# Altium PCB base-32-bit.PcbDoc (part 3 of 3) (continued)
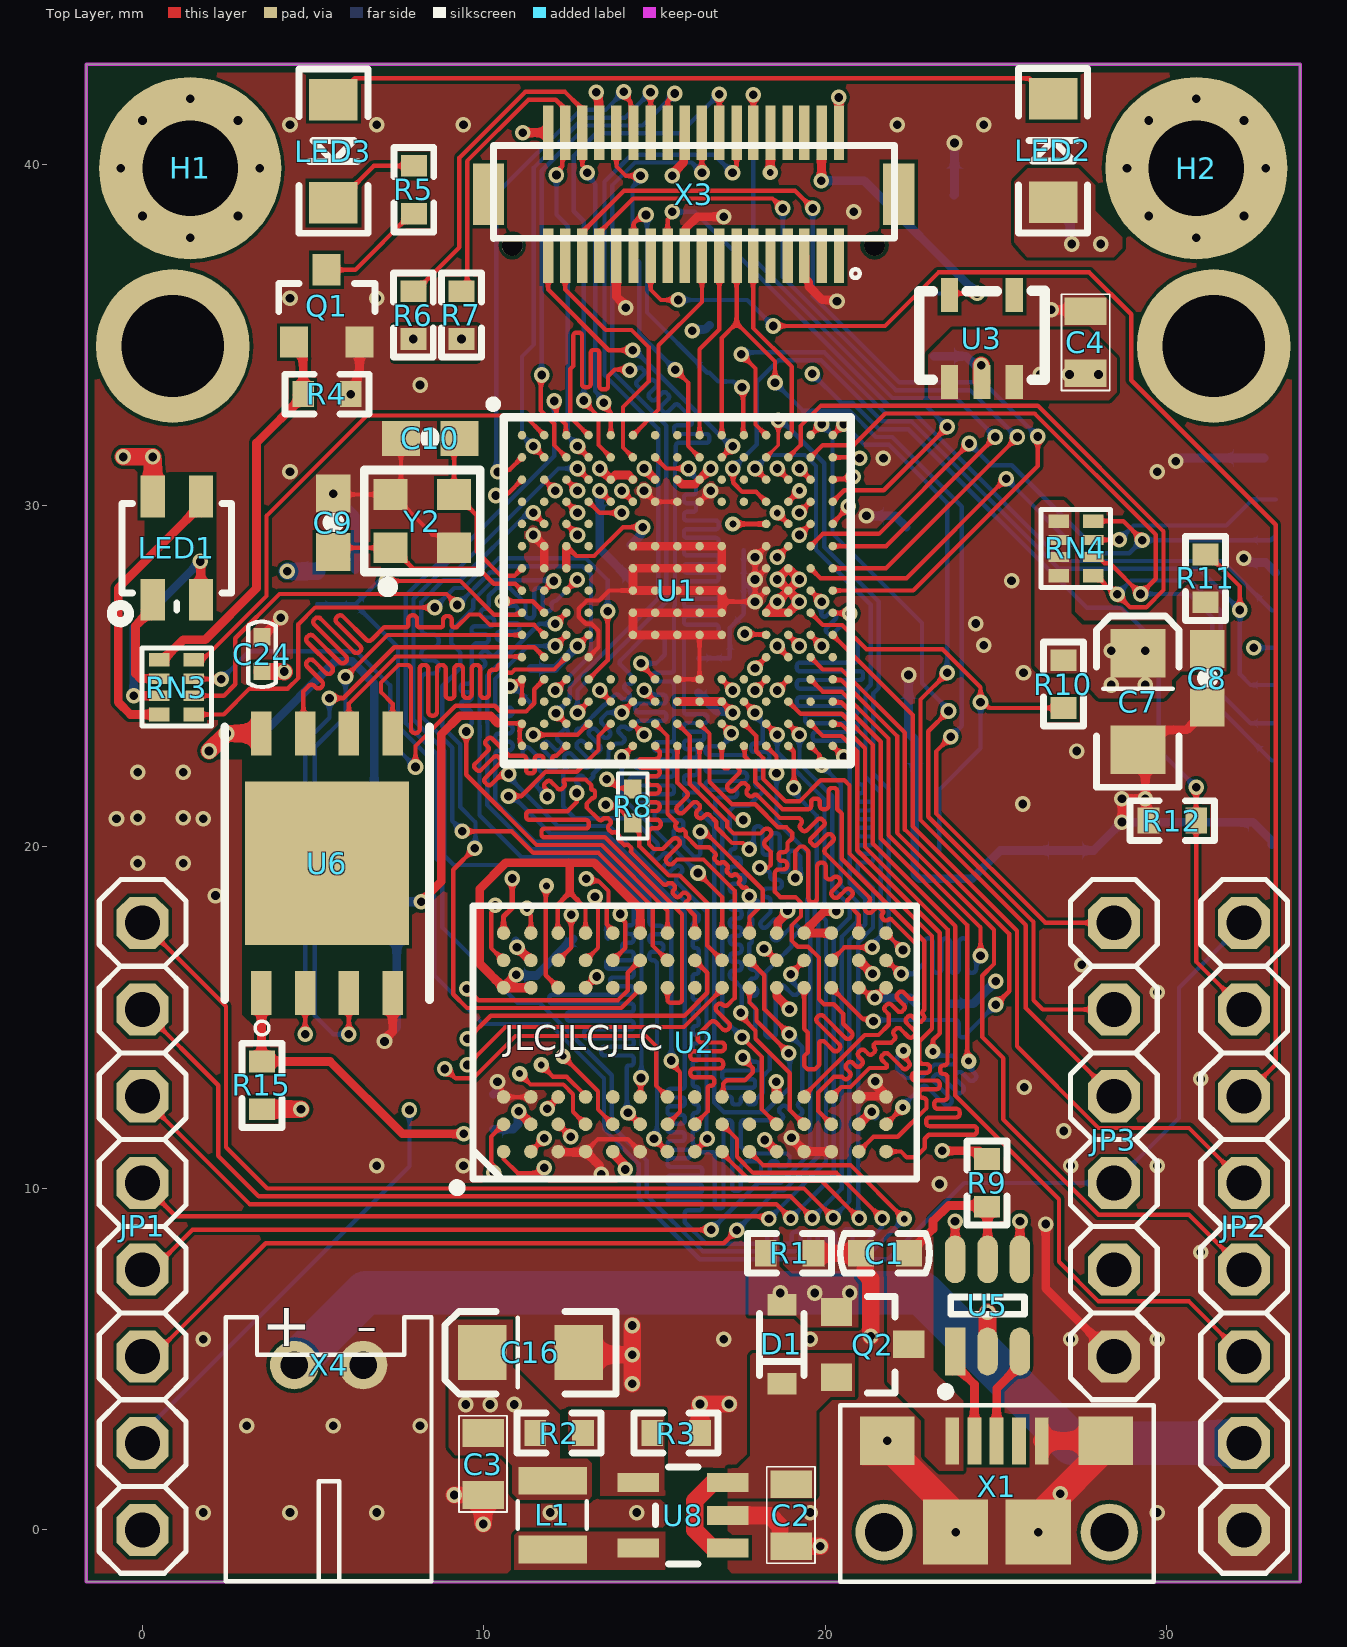
[diagram p0: Top Layer view]
## Nets (pads, with @x,y where several pads share a name; then routed paths per layer and width w, separated by ;. In a path a pad name is that pad's centre, name@x,y a point inside that pad or via, vN(x,y) a via of type N, cw(c..) or ccw(c..) an arc to the next point about the centre after c; other vN are vias at no path point) (continued)
  Top Layer w0.508: v1(9.125,1.023) C3.1@9.976,1.023 v1(9.976,0.172) ; C16.C@12.772,5.198 12.836,5.134 v1(14.344,5.134) ; v1(14.344,4.283) v1(14.344,5.134) ; v1(14.344,5.985) v1(14.344,5.134) ; R3.1@16.326,2.837 v1(16.326,3.688) v1(17.177,3.688) ; U8.2@17.139,0.424 18.369,0.424 18.667,0.126 18.667,-0.324 18.819,-0.476 C2.1@18.993,-0.476 v1(19.844,-0.476) ; R1.1@19.647,8.103 C1.1@21.044,8.103 21.17,7.977 21.17,7.509 21.329,7.351 v1(21.329,5.668) ; v1(24.562,34.112) 24.562,33.644 U3.2@24.584,33.622 ; U5.2@24.745,5.225 v1(24.745,6.379) ; X1.5@26.333,2.608 X1.S@28.213,2.608
  PWR w0.254: v1(21.202,29.696) v1(25.799,25.099) 25.799,12.591 v1(23.339,10.131) 23.339,8.855 23.607,8.587 26.022,8.587 26.392,8.957 v1(26.447,8.957) 25.921,9.483 25.921,10.668 27.457,12.205 27.457,25.832 21.904,31.385 v1(21.697,31.385)
  Bottom Layer w0.127: v1(10.763,24.705) 10.826,24.642 10.94,24.642 C22.2@11.372,24.21 ; v1(12.998,19.066) 13.061,19.003 13.351,19.003 13.646,18.709 13.646,18.251 13.595,18.201 13.595,17.352 C29.2@13.633,17.314 ; C19.2@16.274,25.53 17.189,25.53 C12.2@17.202,25.543 17.202,26.42 C21.2@17.608,26.826 C20.2@17.608,27.753 ; C11.2@17.608,28.693 C20.2@17.608,27.753 ; v1(17.938,27.185) 17.938,27.274 17.798,27.414 17.798,27.563 C20.2@17.608,27.753 ; v1(17.938,27.835) v1(17.938,28.485)
  Bottom Layer w0.254: v1(5.585,30.349) 6.233,29.702 C15.2@6.233,28.115 ; C14.2@6.381,17.383 C13.2@7.447,17.383 7.447,14.722 7.086,14.361 v1(7.086,14.306) ; C26.2@10.28,12.754 10.356,12.83 10.356,13.084 v1(10.394,13.123) ; C30.2@10.928,17.25 10.966,17.212 v1(10.966,17.06) ; C18.2@13.392,30.268 13.392,28.731 C25.2@14.293,27.829 ; v1(21.202,29.696) 22.038,29.696 X2.G$3@22.366,29.368 ; v1(22.434,25.035) 22.434,23.466 X2.G$4@22.366,23.398 22.612,23.152 22.612,19.204 22.746,19.07 24.293,19.07 25.121,19.898 X2.CD$2@27.041,19.898 27.851,19.898 v1(28.682,20.73) 28.691,20.721 32.518,20.721 33.066,20.173 X2.G$1@33.066,20.073 ; C5.1@23.171,34.373 24.116,34.373 24.377,34.112 v1(24.562,34.112) ; C27.2@23.679,15.409 24.326,15.409 v1(24.987,16.069) ; C6.C@23.765,39.083 23.78,39.098 v1(23.78,40.618) ; v1(30.257,31.296) 30.312,31.296 30.409,31.393 X2.G$2@32.841,31.393 ; v1(32.251,28.452) 32.306,28.452 32.426,28.331 32.893,28.331 X2.P$6@33.191,28.033
  other v1: 23.812,-0.067 26.232,-0.067 26.879,1.058 21.813,2.608 26.975,11.684 25.819,12.967 27.508,16.548 2.137,18.577 -0.14,19.52 1.194,19.52 -0.14,20.853 1.194,20.853 25.781,21.26 -0.14,22.187 1.194,22.187 27.356,22.809 24.397,26.543 25.451,27.8
  other v2: 1.778,0.508 4.318,0.508 6.858,0.508 11.938,0.508 14.478,0.508 19.558,0.508 29.718,0.508 3.048,3.048 5.588,3.048 8.128,3.048 1.778,5.588 17.018,5.588 19.558,5.588 27.178,5.588 29.718,5.588 30.988,8.128 6.858,10.668 9.398,10.668 27.178,10.668 29.718,10.668 30.988,13.208 29.718,15.748 -0.762,20.828 1.778,20.828 24.638,25.908 4.318,30.988 29.718,30.988 8.128,33.528 4.318,36.068 6.858,36.068 20.828,38.608 4.318,41.148 6.858,41.148 9.398,41.148 22.098,41.148 24.638,41.148
I2C1_SCL: R6.2 U1.A5 X3.32 | length 19
  Top Layer w0.127: R6.2@7.931,36.275 7.994,36.275 9.278,37.559 9.278,40.181 11.211,42.113 12.371,42.113 12.79,41.694 12.79,41.008 X3.32@12.879,40.919 12.879,39.969 13.023,39.824 v1(13.023,39.742) ; v1(13.506,33.011) 13.506,32.921 13.713,32.714 U1.A5@13.713,32.06
  Bottom Layer w0.127: v1(13.023,39.742) 13.023,39.652 13.263,39.413 13.263,33.343 13.506,33.1 v1(13.506,33.011)
I2C1_SDA: R7.2 U1.B4 X3.34 | length 18.3
  Top Layer w0.127: R7.2@9.34,36.275 9.507,36.441 9.507,40.086 11.305,41.885 12.1,41.885 12.29,41.694 12.29,41.008 X3.34@12.379,40.919 12.29,40.831 12.29,39.936 12.122,39.768 v1(12.122,39.678) ; v1(12.738,31.735) U1.B4@13.063,31.41
  Bottom Layer w0.127: v1(12.122,39.678) 12.122,38.513 12.452,38.183 12.452,32.041 12.738,31.755 v1(12.738,31.735)
I2C2_SCL: JP1.5 U1.R12 | length 33.5
  Top Layer w0.127: JP1.5@0,7.62 0.291,7.62 1.463,8.792 v1(16.655,8.792) ; U1.R12@18.263,22.96 18.567,22.656 v1(18.567,22.162)
  Bottom Layer w0.127: v1(16.655,8.792) 18.03,10.167 18.688,10.167 19.549,11.027 19.558,11.036 19.558,17.602 19.462,17.698 19.462,18.466 19.513,18.517 19.513,19.807 18.567,20.753 v1(18.567,22.162)
I2C2_SDA: JP1.6 U1.R13 | length 34.6
  Top Layer w0.127: JP1.6@0,5.08 0.291,5.08 3.609,8.398 17.024,8.398 v1(17.405,8.779) ; U1.R13@18.913,22.96 19.075,22.798 v1(19.075,21.73)
  Bottom Layer w0.127: v1(17.405,8.779) 18.564,9.938 18.783,9.938 19.787,10.942 19.787,17.76 19.691,17.856 19.691,18.371 19.742,18.422 19.742,20.92 19.075,21.587 v1(19.075,21.73)
LED_B: RN3.1 U1.M4 | length 18.3
  Top Layer w0.127: RN3.1@1.496,23.88 2.379,23.88 3.137,24.638 4.255,24.638 4.565,24.949 4.565,26.523 5.055,27.013 v1(8.56,27.013) ; U1.M4@13.063,24.91 13.62,25.467 v1(13.62,26.908)
  Bottom Layer w0.127: v1(8.56,27.013) 9.131,27.584 9.398,27.584 10.087,28.274 10.25,28.274 10.428,28.452 12.989,28.452 13.62,27.82 v1(13.62,26.908)
LED_G: RN3.2 U1.M3 | length 18.7
  Top Layer w0.127: RN3.2@1.496,24.43 2.383,24.43 2.718,24.765 2.718,26.114 4.01,27.407 6.969,27.407 6.982,27.394 7.308,27.394 7.321,27.407 8.903,27.407 v1(9.22,27.089) ; v1(12.088,24.585) U1.M3@12.413,24.91
  Bottom Layer w0.127: v1(9.22,27.089) 9.226,27.089 10.182,28.045 10.345,28.045 10.523,28.223 12.894,28.223 13.132,27.985 13.132,25.629 v1(12.088,24.585)
LED_IR: RN3.4 U1.A2 | length 14.8
  Top Layer w0.127: RN3.4@1.496,25.48 1.76,25.48 3.632,27.352 3.632,29.697 6.574,32.639 11.184,32.639 U1.A2@11.763,32.06
LED_R: RN3.3 U1.M2 | length 14.8
  Top Layer w0.127: RN3.3@1.496,24.93 1.507,24.919 2.294,24.919 v1(2.304,24.908) ; v1(7.994,22.343) 7.994,22.958 9.17,24.134 10.312,24.134 10.476,23.97 11.233,23.97 11.473,24.209 11.473,24.62 U1.M2@11.763,24.91
  Bottom Layer w0.127: v1(2.304,24.908) 3.126,25.73 6.254,25.73 7.252,24.732 7.252,23.085 v1(7.994,22.343)
NetC9_2: C9.2 U1.H1 Y2.1 | length 6.1
  Top Layer w0.127: C9.2@5.585,28.636 5.711,28.762 Y2.1@7.265,28.762 7.315,28.762 7.93,28.147 9.851,28.147 10.287,27.711 10.912,27.711 U1.H1@11.113,27.51
NetC10_2: C10.2 U1.G1 Y2.3 | length 5.4
  Top Layer w0.127: C10.2@9.283,31.966 9.125,31.808 Y2.3@9.125,30.322 9.175,30.322 9.79,29.707 9.79,28.652 10.502,27.94 10.893,27.94 U1.G1@11.113,28.16
NetC13_1: C13.1 C14.1 L2.1 U1.P1 U1.R1 | length 11.7
  Top Layer w0.127: 10.407,23.626 11.097,23.626 U1.P1@11.113,23.61 11.113,23.577 11.044,23.508 11.044,23.062 11.113,22.993 U1.R1@11.113,22.96
  Top Layer w0.254: v1(8.159,18.393) 8.744,18.978 8.744,23.295 9.291,23.841 10.191,23.841 10.407,23.626
  Bottom Layer w0.254: C14.1@6.381,18.399 C13.1@7.447,18.399 ; L2.1@7.168,19.669 7.168,18.679 C13.1@7.447,18.399 ; v1(8.159,18.393) 8.156,18.396 7.451,18.396 C13.1@7.447,18.399
NetLED1_B: LED1.B RN3.8 | length 8.4
  Top Layer w0.254: RN3.8@0.496,23.88 -0.353,23.88 -0.714,24.24 -0.714,27.582 1.714,30.01 LED1.B@1.714,30.264
NetLED1_G: LED1.G RN3.7 | length 6.6
  Top Layer w0.254: v1(-0.257,24.43) RN3.7@0.496,24.43 ; v1(1.695,28.363) 1.705,28.353 1.705,27.25 LED1.G@1.714,27.24
  Bottom Layer w0.254: v1(-0.257,24.43) -0.257,26.411 v1(1.695,28.363)
NetLED1_R: LED1.R RN3.6 | length 3.1
  Top Layer w0.254: LED1.R@0.303,27.24 0.303,26.986 -0.206,26.477 -0.206,25.078 -0.057,24.93 RN3.6@0.496,24.93
NetLED2_C: LED2.C LED3.A | length 21.6
  Top Layer w0.127: LED3.A@5.588,41.886 6.212,42.51 25.968,42.51 26.568,41.91 LED2.C@26.67,41.91
NetLED3_C: LED3.C R5.2 | length 2.8
  Top Layer w0.127: LED3.C@5.588,38.862 5.69,38.862 6.774,39.946 R5.2@7.944,39.946
NetQ1_1: Q1.1 R4.2 RN3.5 | length 11.6
  Top Layer w0.254: RN3.5@0.496,25.48 0.569,25.553 0.669,25.553 1.19,26.073 1.836,26.073 3.339,27.576 3.339,31.833 4.703,33.197 R4.2@4.703,33.261 4.703,34.521 Q1.1@4.439,34.785
NetQ1_3: Q1.3 R5.1 | length 3.2
  Top Layer w0.127: Q1.3@5.389,36.903 6.234,36.903 7.881,38.549 R5.1@7.944,38.549
NetR2_1: R2.1 R3.2 U8.4
NetR9_1: R9.1 U1.E15 | length 23.8
  Top Layer w0.127: U1.E15@20.213,29.46 20.213,29.49 20.669,29.946 v1(20.669,29.976)
  Top Layer w0.254: v1(23.419,11.1) 24.495,11.1 R9.1@24.733,10.862
  PWR w0.254: v1(20.669,29.976) 20.669,29.179 25.159,24.689 25.159,17.221 25.444,16.936 25.444,13.963 25.159,13.678 25.159,12.84 v1(23.419,11.1)
NetU5_1: U5.1 X1.2 | length 2.9
  Top Layer w0.254: U5.1@23.796,5.225 23.796,4.825 24.363,4.258 X1.2@24.363,2.608
NetU5_3: U5.3 X1.3 | length 2.9
  Top Layer w0.254: X1.3@25.012,2.608 25.012,4.141 25.696,4.825 U5.3@25.696,5.225
NRST: C15.1 JP2.1 JP3.4 R13.1 U1.J1 | length 53.5
  Top Layer w0.127: v1(7.145,27.788) 9.309,27.788 10.296,26.801 11.054,26.801 U1.J1@11.113,26.86
  Bottom Layer w0.127: R13.1@5.111,27.105 6.226,27.105 C15.1@6.233,27.099 ; v1(7.145,27.788) 6.921,27.788 C15.1@6.233,27.099 ; JP2.1@32.258,17.78 30.353,15.875 30.353,12.065 JP3.4@28.448,10.16 24.066,10.16 21.835,7.928 16.316,7.928 14.535,9.709 14.535,10.72 13.513,11.742 13.513,13.223 11.92,14.816 9.974,14.816 8.553,16.236 8.553,18.556 8.388,18.721 8.388,22.626 7.48,23.534 7.48,25.851 C15.1@6.233,27.099
P9: JP2.4 U1.K15 | length 22.6
  Top Layer w0.127: U1.K15@20.213,26.21 22.555,23.868 22.555,20.603 25.609,17.549 25.609,14.163 27.999,11.773 30.645,11.773 JP2.4@32.258,10.16
RAW: C2.2 D1.1 Q2.2 U8.1 U8.3 | length 3.2
  Top Layer w0.508: U8.1@17.139,-0.526 17.114,-0.501 16.672,-0.501 16.174,-0.003 16.174,0.851 16.687,1.364 17.114,1.364 U8.3@17.139,1.389
SD_CD: R10.2 U1.J14 X2.CD$1 | length 13.7
  Top Layer w0.127: U1.J14@19.563,26.86 19.923,26.5 20.489,26.5 21.2,25.789 23.431,25.789 24.542,24.678 v1(24.542,24.234) 24.632,24.234 24.794,24.071 R10.2@26.969,24.071
  Bottom Layer w0.127: X2.CD$1@23.336,19.892 23.336,21.686 24.542,22.893 v1(24.542,24.234)
SDIO_CLK: U1.A12 X2.P$5 | length 21.5
  Top Layer w0.127: v1(17.532,34.433) 17.951,34.014 17.951,32.372 U1.A12@18.263,32.06
  Bottom Layer w0.127: v1(17.532,34.433) 17.583,34.484 19.966,34.484 21.744,32.706 21.765,32.706 21.778,32.693 22.617,32.693 26.935,28.375 31.624,28.375 33.072,26.928 X2.P$5@33.191,26.928
SDIO_CMD: R11.2 U1.D12 X2.P$3 | length 27
  Top Layer w0.127: v1@17.265,31.08 17.297,31.048 17.297,30.666 17.563,30.4 17.973,30.4 U1.D12@18.263,30.11 ; R11.2@31.134,28.567 31.198,28.567 32.137,27.628 v1(32.137,26.94)
  Bottom Layer w0.127: v1(17.288,31.085) 17.989,31.786 17.989,33.618 18.626,34.255 19.871,34.255 21.662,32.465 22.522,32.465 26.84,28.147 30.93,28.147 v1(32.137,26.94) 32.137,25.057 32.45,24.743 X2.P$3@33.191,24.743
SDIO_D0: RN4.8 U1.G14 X2.P$7 | length 17.8
  Top Layer w0.127: U1.G14@19.563,28.16 19.853,27.87 22.373,27.87 v1(25.291,30.788) ; RN4.8@27.836,29.544 28.721,29.544 v1(29.279,28.985)
  Bottom Layer w0.127: v1(25.291,30.788) 27.476,28.604 28.898,28.604 v1(29.279,28.985) 33.038,28.985 X2.P$7@33.191,29.137
SDIO_D1: RN4.7 U1.F14 X2.P$8 | length 17.3
  Top Layer w0.127: U1.F14@19.563,28.81 19.923,29.17 21.565,29.17 v1(24.212,31.817) ; RN4.7@27.836,28.994 27.838,28.996 28.604,28.996 v1(28.606,28.998)
  Bottom Layer w0.127: v1(24.212,31.817) 24.847,31.182 25.455,31.182 27.639,28.998 v1(28.606,28.998) 29.022,29.413 31.737,29.413 32.503,30.179 X2.P$8@33.191,30.179
SDIO_D2: RN4.6 U1.B14 X2.P$1 | length 23.3
  Top Layer w0.127: U1.B14@19.563,31.41 19.923,31.77 20.827,31.77 21.753,32.696 26.124,32.696 29.673,29.148 29.673,27.855 v1(29.228,27.41) 28.33,28.309 28.171,28.309 27.986,28.494 RN4.6@27.836,28.494
  Bottom Layer w0.127: v1(29.228,27.41) 30.642,27.41 31.331,26.721 31.331,24.268 33.066,22.533 X2.P$1@33.191,22.533
SDIO_D3: RN4.5 U1.B13 X2.P$2 | length 25.8
  Top Layer w0.127: U1.B13@18.913,31.41 19.273,31.77 19.273,32.327 19.871,32.925 26.219,32.925 29.902,29.243 29.902,27.526 29.392,27.016 28.924,27.016 v1(28.543,27.397) 28.482,27.397 27.936,27.944 RN4.5@27.836,27.944
  Bottom Layer w0.127: v1(28.543,27.397) 28.949,27.804 30.692,27.804 31.572,26.924 31.572,24.504 32.45,23.626 X2.P$2@33.191,23.626
SPI2_MISO: JP1.2 U1.R14 | length 38.3
  Top Layer w0.127: JP1.2@0,15.24 2.217,13.023 2.217,10.953 3.4,9.77 18.98,9.77 v1(19.615,9.135) ; U1.R14@19.563,22.96 19.825,22.698 19.825,22.463 v1(19.888,22.4)
  Bottom Layer w0.127: v1(19.615,9.135) 20.472,9.993 20.472,17.368 20.935,17.831 20.935,18.388 20.443,18.88 20.443,21.845 v1(19.888,22.4)
SPI2_MOSI: JP1.1 U1.R15 | length 40.8
  Top Layer w0.127: JP1.1@0,17.78 2.445,15.335 2.445,11.207 3.654,9.998 19.373,9.998 v1(20.224,9.148) ; U1.R15@20.213,22.96 v1(20.538,22.635)
  Bottom Layer w0.127: v1(20.224,9.148) 20.701,9.624 20.701,17.273 21.164,17.736 21.164,18.482 20.714,18.933 20.714,22.459 v1(20.538,22.635)
SPI2_NSS: JP1.4 U1.P12 | length 34.7
  Top Layer w0.127: JP1.4@0,10.16 0.974,9.186 18.268,9.186 v1(18.345,9.109) ; U1.P12@18.263,23.61 v1(18.588,23.285)
  Bottom Layer w0.127: v1(18.345,9.109) 20.015,10.78 20.015,17.855 19.919,17.951 19.919,18.277 19.97,18.328 19.97,21.392 18.588,22.774 v1(18.588,23.285)
SPI2_SCLK: JP1.3 U1.P13 | length 36.4
  Top Layer w0.127: JP1.3@0,12.7 0,12.678 3.137,9.541 18.56,9.541 v1(18.98,9.122) ; U1.P13@18.913,23.61 v1(19.238,23.285)
  Bottom Layer w0.127: v1(18.98,9.122) 20.244,10.386 20.244,17.463 20.707,17.926 20.707,18.293 20.199,18.801 20.199,21.486 19.238,22.447 v1(19.238,23.285)
SPI3_MISO: U1.A9 X3.15 | length 5.5
  Top Layer w0.127: U1.A9@16.313,32.06 16.313,34.579 16.891,35.157 X3.15@16.891,37.316
SPI3_MOSI: U1.A6 X3.17 | length 6.1
  Top Layer w0.127: U1.A6@14.363,32.06 15.113,32.81 15.113,34.692 16.383,35.962 X3.17@16.383,37.316
SPI3_SCLK/TRACESWO: JP3.1 U1.A10 X3.13 | length 30.5
  Top Layer w0.127: U1.A10@16.963,32.06 16.963,34.906 17.399,35.342 ; X3.13@17.399,37.316 17.399,35.342 ; v1(18.522,33.595) 18.522,34.218 17.399,35.342 ; v1(23.672,23.225) 23.241,22.794 23.241,20.98 26.441,17.78 JP3.1@28.448,17.78
  Bottom Layer w0.127: v1(18.522,33.595) 19.339,32.779 20.701,32.779 21.472,32.008 21.955,32.008 23.996,29.967 23.996,23.549 v1(23.672,23.225)
SPI3_SSEL: U1.A13 X3.11 | length 5.8
  Top Layer w0.127: X3.11@17.882,37.316 17.882,35.199 19.012,34.069 19.012,32.159 U1.A13@18.913,32.06
SW: L1.1 U8.5
SWCLK: JP3.2 U1.A14 | length 22.9
  Top Layer w0.127: U1.A14@19.563,32.06 v1(19.888,32.385) ; v1(23.602,23.981) 23.012,23.391 23.012,20.886 26.092,17.807 26.092,15.514 26.365,15.24 JP3.2@28.448,15.24
  Bottom Layer w0.127: v1(19.888,32.385) 20.206,32.067 20.206,29.181 22.828,26.559 22.828,24.795 23.602,24.02 v1(23.602,23.981)
SWDIO: JP3.3 U1.A15 | length 24.5
  Top Layer w0.127: U1.A15@20.213,32.06 v1(20.538,32.385) ; v1(23.564,25.099) 22.784,24.318 22.784,20.791 25.863,17.712 25.863,15.285 JP3.3@28.448,12.7
  Bottom Layer w0.127: v1(20.538,32.385) 21.144,31.779 21.86,31.779 23.564,30.075 v1(23.564,25.099)
TIM4_CH1: JP2.6 U1.N13 | length 27
  Top Layer w0.127: U1.N13@18.913,24.26 19.273,23.9 20.476,23.9 21.389,22.987 21.389,20.094 23.806,17.677 23.806,13.892 23.803,13.89 23.803,12.723 26.841,9.686 26.841,7.851 27.999,6.693 30.645,6.693 JP2.6@32.258,5.08
TIM4_CH2: JP2.5 U1.M15 | length 24.2
  Top Layer w0.127: U1.M15@20.213,24.91 20.237,24.886 20.46,24.886 22.098,23.248 22.098,20.414 24.936,17.576 24.936,16.575 24.593,16.232 24.593,14.434 25.209,13.818 25.209,12.022 27.999,9.233 30.645,9.233 JP2.5@32.258,7.62
VBUS: C1.2 Q2.3 R9.2 U5.5 X1.1 | length 4.6
  Top Layer w0.254: C1.2@22.441,8.103 23.151,8.813 23.151,9.045 23.607,9.501 24.696,9.501 24.746,9.451 U5.5@24.746,7.925
VCAP1: C12.1 U1.M10 | length 0.5
  Top Layer w0.127: U1.M10@16.963,24.91 v1(17.288,24.585)
VCAP2: C11.1 U1.F13 | length 0.5
  Top Layer w0.127: v1(18.588,28.485) U1.F13@18.913,28.81
VCC: C3.2 C4.2 C6.A C7.A C8.1 C16.A C17.1 C18.1 C19.1 C20.1 C21.1 C22.1 C23.1 C24.1 C25.1 C26.1 C27.1 C28.1 C29.1 C30.1 JP1.8 JP3.5 L1.2 L2.2 LED1.A LED2.A R2.2 R6.1 R7.1 R8.1 R10.1 R11.1 R13.2 R14.2 R15.2 RN4.1 RN4.2 RN4.3 RN4.4 U1.C1 U1.C5 U1.C6 U1.C7 U1.C8 U1.C9 U1.F3 U1.G3 U1.G13 U1.H13 U1.J12 U1.J13 U1.K4 U1.N8 U1.N9 U1.N10 U2.A7 U2.B2 U2.B7 U2.C9 U2.D9 U2.E1 U2.F9 U2.L1 U2.L7 U2.M9 U2.N9 U2.P2 U2.P7 U2.R7 U3.1 U3.3 U6.8 X2.P$4 X3.2 X3.10 X3.20 X3.30 X3.36 | length 84.7
  Top Layer w0.127: v1(10.344,30.293) 10.407,30.356 10.709,30.356 U1.C1@11.113,30.76 ; U2.C9@12.174,17.48 12.16,17.494 12.16,18.317 12.515,18.673 12.974,18.214 U2.D9@12.974,17.48 ; U1.F3@12.413,28.81 12.703,28.52 13.225,28.52 14.071,29.366 v1(14.649,29.366) ; v1(12.738,25.885) U1.K4@13.063,26.21 ; v1(13.595,21.987) 13.654,21.987 13.921,21.721 14.331,21.721 R8.1@14.357,21.695 ; U2.P7@20.974,15.88 21.048,15.88 21.278,15.65 21.38,15.65 v1(21.443,15.586) 21.462,15.586 21.755,15.88 U2.R7@21.774,15.88
  Top Layer w0.152: U1.N10@16.963,24.26 v1(17.288,23.935)
  Top Layer w0.254: v1(10.94,16.26) 10.574,15.893 U2.A7@10.574,15.88 ; v1(11.017,12.259) 11.017,12.248 11.374,11.891 U2.B2@11.374,11.88 ; v1(11.134,40.919) X3.36@11.879,40.919 ; U2.B7@11.374,15.88 U2.A7@10.574,15.88 ; U1.G3@12.413,28.16 U1.F3@12.413,28.81 ; 12.515,18.673 12.515,19.501 12.481,19.536 ; v1(13.29,42.104) 13.29,42.049 13.354,41.985 13.354,40.945 X3.30@13.379,40.919 ; v1(13.388,31.085) U1.C5@13.713,30.76 13.845,30.892 14.231,30.892 U1.C6@14.363,30.76 ; U2.E1@13.774,11.08 13.774,11.04 14.102,10.712 14.102,10.596 v1(14.141,10.557) ; U2.F9@14.574,17.48 14.574,18.193 13.231,19.536 12.481,19.536 ; v1(14.688,31.085) U1.C7@15.013,30.76 ; v1(15.512,39.653) 15.512,39.708 15.854,40.049 15.854,40.894 X3.20@15.879,40.919 ; U1.N8@15.663,24.26 U1.N9@16.313,24.26 U1.N10@16.963,24.26 ; U1.C8@15.663,30.76 15.796,30.628 16.181,30.628 U1.C9@16.313,30.76 ; U1.C9@16.313,30.76 v1(16.638,31.085) ; v1(18.218,11.421) 18.225,11.421 18.566,11.08 U2.L1@18.574,11.08 ; U1.J12@18.263,26.86 U1.J13@18.913,26.86 v1(19.238,27.185) ; U1.J12@18.263,26.86 v1(18.588,27.185) U1.H13@18.913,27.51 v1(19.238,27.185) ; v4(18.383,39.755) 18.386,39.758 18.386,40.916 X3.10@18.39,40.919 ; U2.L7@18.574,15.88 18.574,15.627 v1(18.948,15.253) ; U2.N9@20.174,17.48 U2.M9@19.374,17.48 19.374,17.52 19.968,18.114 v1(20.313,18.114) ; v1(20.389,41.952) 20.393,41.948 20.393,40.923 X3.2@20.396,40.919 ; U2.P2@20.974,11.88 20.981,11.88 21.347,12.246 v1(21.354,12.246) ; U2.A7@10.574,15.88 9.874,16.58 9.874,18.773 10.637,19.536 12.481,19.536 ; v1(18.588,27.835) U1.H13@18.913,27.51 v1(19.238,27.835) U1.G13@18.913,28.16 v1(18.588,27.835)
  Top Layer w0.508: v1(-0.566,31.423) v1(0.298,31.423) 0.303,31.418 LED1.A@0.303,30.264 ; v1(1.949,22.813) v1(2.461,23.325) U6.8@3.484,23.325 ; R15.2@3.498,12.323 v1(4.641,12.323) ; C24.1@3.499,25.138 4.145,25.138 v1(4.146,25.137)
  GND w0.254: v1(10.94,16.26) 10.94,15.004 10.16,14.224 10.16,13.613 9.652,13.105 9.652,12.7 10.093,12.259 v1(11.017,12.259) ; v1(12.738,25.885) 12.738,24.581 13.335,23.984 13.335,22.247 v1(13.595,21.987) ; v1(17.288,23.935) 18.567,22.656 18.899,22.656 20.313,21.241 v1(20.313,18.114)
  Bottom Layer w0.127: v1(32.543,25.835) X2.P$4@33.191,25.833
  Bottom Layer w0.254: v1(2.461,23.325) 3.529,23.325 5.643,25.438 6.133,25.438 6.787,24.784 6.787,21.663 L2.2@7.168,21.282 ; C26.1@10.28,11.738 10.855,11.738 11.004,11.887 11.004,12.246 v1(11.017,12.259) ; C30.1@10.928,16.234 11.537,16.234 C29.1@12.617,17.314 ; C22.1@11.372,25.226 12.079,25.226 v1(12.738,25.885) ; C25.1@14.293,28.845 14.61,29.162 14.61,29.327 v1(14.649,29.366) ; v1(16.097,35.119) 16.136,35.158 16.478,35.158 R14.2@16.605,35.284 ; C19.1@16.274,24.515 16.815,23.974 17.249,23.974 v1(17.288,23.935) ; v1(21.354,12.246) 21.456,12.145 C28.1@21.456,12.119 ; v1(21.443,15.586) 22.485,15.586 C27.1@22.663,15.409 ; C6.A@26.588,39.083 27.172,38.499 27.172,37.696 v1(27.209,37.659)
  Bottom Layer w0.508: v1(4.235,28.071) 5.111,28.071 R13.2@5.111,28.096
  other v1: 9.467,3.674 10.178,3.674 10.89,3.674 28.365,24.743 29.368,24.743 28.365,25.746 29.368,25.746 26.295,33.836 27.146,33.836 27.997,33.836 7.931,34.878 9.34,34.878 28.06,37.659
VDDA: C5.2 U3.5 X3.4 | length 9.4
  Top Layer w0.127: U3.5@23.634,36.162 23.683,36.211 v1(24.441,36.211)
  Top Layer w0.254: v1(19.881,39.513) 19.885,39.517 19.885,40.916 X3.4@19.888,40.919
  Bottom Layer w0.127: C5.2@23.171,36.187 23.195,36.211 v1(24.441,36.211)
  Bottom Layer w0.254: v1(19.881,39.513) 21.139,39.513 v1(24.441,36.211)
VIN: D1.2 JP2.7 Q2.1 R1.2 X4.1 | length 30.5
  Bottom Layer w1.27: X4.1@4.445,4.826 4.445,4.857 6.538,6.95 22.809,6.95 27.219,2.54 JP2.7@32.258,2.54
  other v1: 18.675,6.938 19.691,6.938 20.707,6.938
pads on no net: H1.B2,8 H2.B2,8 U1.A1 U1.A7 U1.A8 U1.B8 U1.B11 U1.C10 U1.C11 U1.D1 U1.D2 U1.D10 U1.D11 U1.E1 U1.E4 U1.F1 U1.F4 U1.G4 U1.H4 U1.J4 U1.L15 U1.M5 U1.M6 U1.M11 U1.N2 U1.N3 U1.N12 U1.N14 U1.P2 U1.R2 U1.R4 U1.R5 U2.E3 U2.E7 U2.H3 U2.H7 U2.K2 U2.K3 U3.4 U6.0 X1.4 X1.S1 X1.S2 X3.1 X3.3 X3.6 X3.7 X3.8 X3.9 X3.F1 X3.F2
copper on no net:
  other v3: 1.397,37.846 30.861,37.846 0,38.481 2.794,38.481 29.464,38.481 32.258,38.481 -0.635,39.878 3.429,39.878 28.829,39.878 32.893,39.878 0,41.275 2.794,41.275 29.464,41.275 32.258,41.275 1.397,41.91 30.861,41.91

## Polygon pours and split planes (outlines as drawn)
GND on Top Layer "Top Layer-GND" (solid, remove dead copper, pour order 56): -4.547,47.879 -5.093,47.333 -5.093,-3.531 38.227,-3.531 38.506,-3.81 38.506,44.425
VCC on Top Layer "Top Layer-VCC 4" (solid, remove dead copper, pour order 32): 26.13,29.95 26.13,25.302 26.358,25.073 26.371,25.086 27.59,25.086 27.768,24.908 27.768,24.603 28.009,24.362 29.902,24.362 30.143,24.603 30.143,24.883 30.396,25.136 31.743,25.15 31.743,27.512 31.578,27.677 30.6,27.677 30.283,27.359 30.283,26.508 27.527,26.508 27.196,26.839 27.196,29.937 26.981,30.153 26.333,30.153
VCC on Top Layer "Top Layer-VCC" (solid, remove dead copper, pour order 28): 8.972,2.417 9.162,2.188 10.521,2.188 10.826,1.883 10.826,1.07 11.017,0.88 13.061,0.88 13.163,0.981 13.163,1.947 13.022,2.086 12.223,2.086 12.223,3.385 10.839,4.769 10.839,6.15 8.972,6.15
VCC on Top Layer "Top Layer-VCC 1" (solid, remove dead copper, pour order 26): 7.359,35.259 7.359,34.255 9.797,34.255 9.797,35.259
VCC on Top Layer "Top Layer-VCC 2" (solid, remove dead copper, pour order 22): 25.774,37.418 25.914,37.278 28.441,37.278 28.695,37.532 28.695,37.85 27.908,38.637 27.908,39.374 27.4,39.882 25.926,39.882 25.533,39.488 25.533,37.71
VCC on Top Layer "Top Layer-VCC 3" (solid, remove dead copper, pour order 20): 23.729,35.144 23.005,34.421 23.005,33.163 23.082,33.087 28.301,33.087 28.53,33.316 28.53,34.306 27.692,35.144
VIN on Top Layer "Top Layer-VIN" (solid, remove dead copper, pour order 14): 17.76,8.665 17.76,6.29 19.119,6.29 19.475,5.934 20.999,5.934 21.024,5.96 21.024,7.408 18.967,7.408 18.649,7.725 18.649,8.601
NetR2_1 on Top Layer "Top Layer-NetR2_1" (solid, remove dead copper, pour order 12): 13.411,0.994 15.284,0.994 15.373,1.083 15.284,1.172 15.284,3.509 13.684,3.509 12.49,3.509 12.464,3.483 12.464,2.34 12.604,2.201 13.353,2.201 13.411,2.143
SW on Top Layer "Top Layer-SW" (solid, remove dead copper, pour order 10): 10.864,-0.035 10.89,-0.06 10.89,-1.165 15.297,-1.165 15.347,-1.114 15.347,-0.047
RAW on Top Layer "Top Layer-RAW" (solid, remove dead copper, pour order 8): 16.401,1.769 16.401,0.931 19.64,0.931 19.665,0.905 19.729,0.969 19.729,3.471 20.161,3.902 20.859,3.902 20.859,5.172 18.256,5.172 17.875,5.172 17.798,5.096 17.798,2.175 17.43,1.807 16.44,1.807
no net on Top Layer "Top Layer-No Net" (solid, remove dead copper, pour order 6): 17.824,-0.936
no net on Top Layer "Top Layer-No Net 1" (solid, remove dead copper, pour order 4): 16.49,-0.187
VBUS on Top Layer "Top Layer-VBUS" (solid, remove dead copper, pour order 2): 21.812,6.366 21.812,4.334 22.904,3.242 22.904,2.163 23.336,1.731 24.034,1.731 24.034,3.788 23.158,4.664 23.158,7.585 23.158,8.589 21.799,8.589
GND on Bottom Layer "Bottom Layer-GND" (solid, remove dead copper, pour order 50): -3.162,44.425 -3.581,44.005 -3.581,-2.908 37.008,-2.908 37.338,-2.578 37.338,46.152
VCC on Bottom Layer "Bottom Layer-VCC" (solid, remove dead copper, pour order 34): 25.774,39.932 25.774,37.303 26.765,37.303 28.466,37.303 28.466,37.926 27.489,38.904 27.489,39.932
VCC on PWR "PWR-VCC" (solid, remove dead copper, pour order 52): -4.267,45.745 -4.267,-3.886 -3.505,-3.124 39.548,-3.124 39.548,43.802 38.303,45.047
GND on GND "GND-GND" (solid, remove dead copper, pour order 54): -4.204,46.914 -4.889,46.228 -4.889,-3.67 40.716,-3.67 40.03,-2.984 40.03,46.85 1.206,46.85 0.991,46.634

## Keep-outs
Keep-Out Layer:
  the board outline again, w0.1

## Other copper
Top Layer:
  pour cut-out: 2.902,22.883 2.902,15.093 3.277,14.719 3.531,14.973 7.744,14.973 7.744,22.901
  pour cut-out: 9.309,32.512 9.309,28.181 9.55,27.94 10.893,27.94 10.893,28.171 11.184,28.462 11.184,32.807
  pour cut-out: 11.625,38.218 11.625,36.414 20.65,36.414 20.65,38.218
  pour cut-out: 11.703,41.885 11.703,40.095 11.625,40.018 20.65,40.018 20.65,41.773 20.7,41.823
  pour cut-out: 12.623,2.086
  pour cut-out: 15.303,1.88 15.303,-1.257 17.139,-1.257 17.139,1.798
  pour cut-out: 23.151,8.813 23.151,4.672 23.158,4.664 23.161,4.668 26.075,4.668 26.075,8.848 26.007,8.915
  pour cut-out: -0.154,30.975 0.049,30.773 0.049,26.731 1.971,26.731 1.994,26.708 2.172,26.886 2.172,30.975
  pour cut-out: -0.154,30.975 -0.154,29.553 2.172,29.553 2.172,30.975
  pour cut-out: -0.165,27.838 -0.013,27.686 -0.013,25.54 1.524,25.54 2.489,26.505 2.172,26.822 2.172,27.951
  pour cut-out: 0.095,25.781 0.095,23.647 0.163,23.578 1.898,23.578 1.898,25.801 1.867,25.832
  pour cut-out: 2.383,24.43 2.205,24.252 2.205,22.556 7.9,22.556 7.994,22.65 7.493,23.151 7.493,24.613
  region net GND: 25.953,0.424 25.953,0.678 27.502,2.227 27.782,1.948 28.315,1.948 26.918,0.551
  region net GND: 21.075,1.897 21.81,1.897 22.877,0.83 23.972,0.83 22.229,2.573

## Silkscreen, mask and mechanical layers (free items; w line width, h text height)
Top Overlay:
  text "JLCJLCJLC" at 10.592,13.792 h1.27
Bottom Overlay:
  text "OpenMV4" at 22.085,37.91 h3.81
Mechanical 1:
  the board outline again, w0.254

## Text inside footprints (layer, text, board x,y; h text height)
X4: Top Overlay "-" at 6.89,6.722 h2.2 r180; Top Overlay "+" at 4.953,6.922 h2.2 r180